# Altium PCB PCB1_done2.PcbDoc (part 2 of 3)
Units mm, origin at the board's own origin, x right, y up, seen from the top; angles counter-clockwise.
Board outline 90.17 x 95.89 mm, 8 copper layers (Top Layer, Top Signal Layer, Vbat-chrg, Internal Plane 1, GND-nBat, Internal Plane 2, Bottom Signal Layer, Bottom Layer), stack 1.566 mm thick; 236 components, 256 nets, 986 pads, 235 vias.
Unrouted connection lines stored in the file: 10.
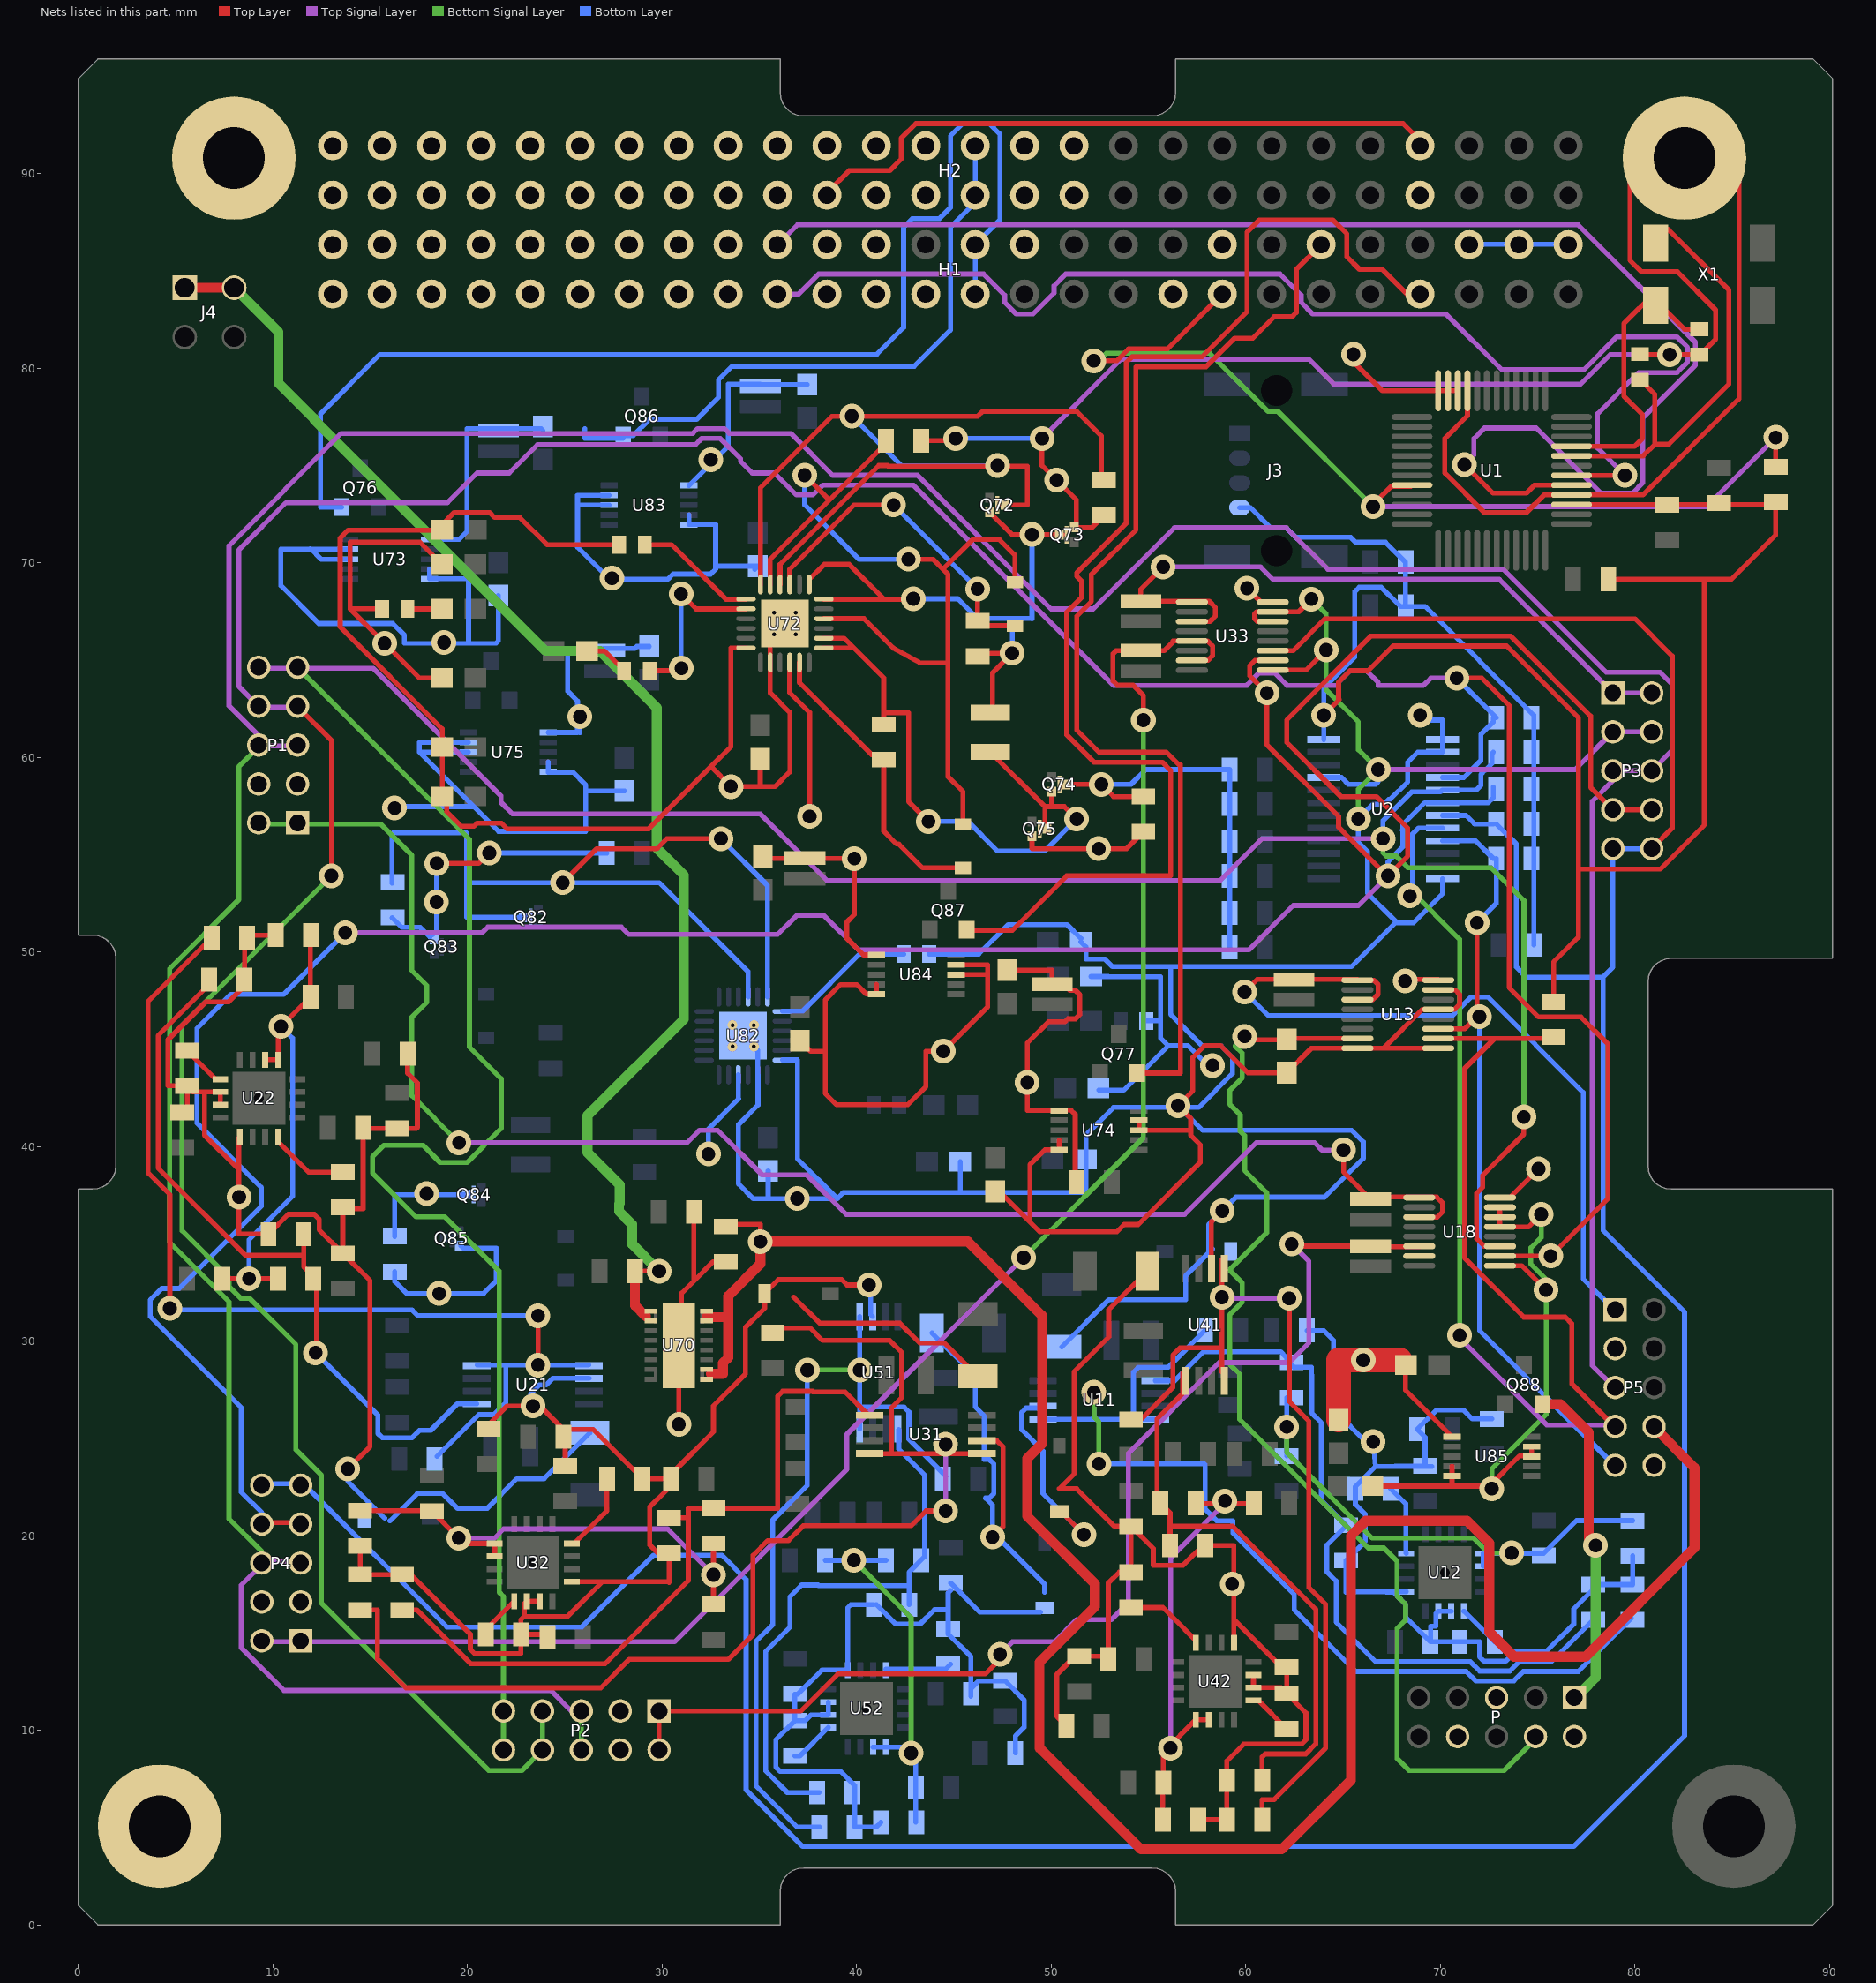
[diagram p8: the nets of this part, all layers, seen from the top]

## Via types
v1: diameter 1.27, hole 0.711, Top Layer to Bottom Layer, 226 vias
v2: diameter 0.5, hole 0.2, Top Layer to Bottom Layer, 8 vias
v3: diameter 1.27, hole 0.711, Top Layer to Bottom Layer, tented bottom, 1 vias

## Nets (pads, with @x,y where several pads share a name; then routed paths per layer and width w, separated by ;. In a path a pad name is that pad's centre, name@x,y a point inside that pad or via, vN(x,y) a via of type N, cw(c..) or ccw(c..) an arc to the next point about the centre after c; other vN are vias at no path point) (continued)
3V3: C73.1 C79.1 H1.48 H1.50 H1.52 J3.4 Q74.3 Q74.4 R18.2 R72.2 R74.2 R100.2 R101.2 R102.1 R103.1 R104.2 R112.1 R113.1 R122.1 R123.1 R132.1 R133.1 R142.1 R143.1 R152.1 R153.1 R162.1 R163.1 R172.1 R173.1 R710.2 R711.2 R713.2 R714.2 R716.2 R717.2 U1.10 U1.11 U1.12 U1.39 U2.24 U72.10 U73.1 U74.1 U75.1 | length 220.2
  Top Layer w0.254: C73.1@15.602,67.65 13.966,67.65 ; R74.2@18.69,64.094 17.522,64.094 v1(15.744,65.872) 13.966,67.65 ; R72.2@18.69,69.936 17.559,71.067 13.966,71.067 13.966,67.65 ; U72.10@36.568,64.888 36.568,63.336 37.588,62.316 v1(37.588,56.97) ; R714.2@47.76,49.071 50.046,49.071 50.046,48.297 50.712,48.297 50.977,48.032 51.254,48.032 51.477,47.809 51.477,46.793 51.254,46.57 50.865,46.57 50.712,46.417 49.867,46.417 48.776,45.326 48.776,41.857 U74.1@50.414,41.857 ; U74.1@50.414,41.882 51.017,41.882 51.24,41.659 51.24,38.239 R133.1@51.305,38.174 ; Q74.3@50.619,58.621 Q74.3@50.81,58.621 v1(52.586,58.621) 53.21,57.997 C79.1@54.745,57.997 ; v1(64.014,62.175) 64.822,62.983 64.778,63.026 64.778,63.868 65.373,64.463 66.215,64.463 66.258,64.419 67.572,65.733 73.414,65.733 77.097,62.05 77.097,50.758 75.827,49.488 R122.1@75.827,47.572 ; v1(65.54,80.719) 65.54,80.338 67.028,78.85 U1.12@69.902,78.85 U1.11@70.402,78.85 U1.10@70.902,78.85 ; U1.39@76.752,73 R100.2@81.669,73 ; 77.097,54.264 81.312,54.264 83.574,56.526 83.574,69.162 R101.2@78.646,69.162 84.971,69.162 87.249,71.44 87.249,72.997 R100.2@81.669,72.997
  Bottom Layer w0.254: U73.1@18.055,71.206 19.566,71.206 19.972,71.612 19.972,76.896 23.782,76.896 R711.2@23.884,76.794 ; U75.1@24.151,61.288 25.662,61.288 25.662,62.899 25.154,63.407 25.154,65.606 28.608,65.606 28.71,65.708 R717.2@29.345,65.708 ; 25.789,61.288 v1@25.789,62.05 ; v1(52.586,58.621) 54.11,58.621 54.872,59.383 R162.1@59.179,59.383 R163.1@59.179,57.605 R152.1@59.179,55.7 R153.1@59.179,53.922 R142.1@59.179,52.017 R143.1@59.179,50.239 ; J3.4@59.698,72.845 60.25,72.845 61.279,71.816 62.087,71.816 62.639,71.265 ; 62.639,71.265 62.69,71.316 65.406,71.316 65.655,71.067 67.191,71.067 68.207,70.051 R173.1@68.207,67.765 ; U2.24@64.014,60.926 v1(64.014,62.175) 64.014,63.561 65.616,65.163 65.616,68.532 65.839,68.756 66.968,68.756 67.958,67.765 R173.1@68.207,67.765 ; R173.1@68.218,67.765 R173.1@68.207,67.765 ; H1.48@71.501,86.373 H1.52@76.843,86.373 ; R132.1@74.822,50.366 74.811,50.377 74.811,62.177 69.223,67.765 R173.1@68.207,67.765
  other v1: 48.776,43.307 25.781,62.103
5V: C83.1 C89.1 H1.1 H2.25 H2.26 P.2 Q84.3 Q84.4 R82.2 R84.2 R810.2 R811.2 R813.2 R814.2 R816.2 R817.2 U13.16 U18.16 U33.16 U82.10 U83.1 U84.1 U85.1 | length 64
  Top Layer w0.254: R814.2@35.187,54.811 v1(39.886,54.811) 39.886,51.93 39.505,51.549 39.505,50.707 40.354,49.858 U84.1@41.016,49.858 ; v1(60.071,68.707) 60.787,67.991 U33.16@61.392,67.991 ; R816.2@67.928,29.03 68.207,28.751 68.207,27.493 U85.1@70.607,25.093 ; v1(68.199,48.514) 68.276,48.591 U13.16@69.901,48.591 ; U18.16@73.076,37.384 73.579,37.384 v1(75.057,38.862)
  Top Layer w1.27: R817.2@64.778,25.957 64.778,29.03 v1(66.048,29.03) R816.2@67.928,29.03
  Bottom Layer w0.254: C89.1@16.268,35.391 16.268,37.539 17.915,37.539 Q84.3@19.945,37.539 Q84.3@20.116,37.539 ; U83.1@31.39,73.988 33.409,76.007 33.409,79.195 R810.2@35.035,79.195 ; v1@32.393,39.698 32.393,40.912 33.945,42.464 ; 33.925,42.484 U82.10@33.925,43.698 ; R810.2@35.06,79.17 R811.2@37.473,79.17 ; R82.2@52.057,48.746 52.944,48.746 52.949,48.74 55.634,48.74 55.634,45.575 56.019,45.19 ; R84.2@52.459,42.904 53.733,42.904 56.019,45.19 ; C83.1@54.891,46.46 55.634,46.46 ; v1(58.305,44.174) 58.06,44.174 57.044,45.19 56.019,45.19
  other v1: 17.907,37.592 32.385,39.624 32.512,75.311
"5V USB": J4.1 J4.4 R70.2 U70.1 U70.2 | length 71.8
  Top Layer w0.254: R70.2@28.608,33.602 v1(29.853,33.602) ; 29.16,31.292 29.3,31.292
  Top Layer w0.508: J4.1@5.469,84.148 J4.4@8.009,84.148 ; R70.2@28.608,33.602 28.608,31.844 29.16,31.292
  Bottom Signal Layer w0.508: J4.4@8.009,84.148 10.287,81.87 10.287,79.248 12.115,77.42 ; 12.115,77.375 24.011,65.479 26.805,65.479 29.73,62.554 29.73,55.347 31.123,53.954 31.123,46.556 26.17,41.603 26.17,39.698 27.825,38.043 27.825,37.097 27.79,37.062 27.79,36.681 28.46,36.011 28.46,34.995 v1(29.853,33.602)
ACS3.3V: H1.27 H1.28 Q76.2 | length 61.3
  Bottom Layer w0.254: Q76.2@13.536,72.873 12.454,72.873 12.454,77.671 15.502,80.719 41.038,80.719 42.418,82.099 42.418,87.249 42.871,87.702 44.268,87.702 44.831,88.265 44.831,91.948 45.466,92.583 46.832,92.583 47.371,92.044 47.371,87.63 H1.28@46.101,86.36 H1.27@46.101,83.82 ; H1.27@46.101,83.566 H1.27@46.228,83.693
ACS_5V: H2.27 H2.28 Q86.2 | length 32.2
  Bottom Layer w0.254: 26.043,76.909 26.043,76.401 Q86.2@27.998,76.401 ; Q86.2@28.014,76.544 28.525,76.544 29.356,77.375 31.772,77.375 32.901,78.504 32.901,79.405 33.605,80.109 42.969,80.109 44.831,81.972 44.831,87.249 46.302,88.72 46.109,88.913 H2.28@46.109,91.453
ANTENNA: P.1 Q88.2 | length 17.1
  Top Layer w0.508: Q88.2@75.253,26.76 76.192,26.76 77.635,25.317 77.635,19.856 v1(77.986,19.505)
  Bottom Signal Layer w0.508: P.1@76.93,12.033 77.311,12.033 77.986,12.708 v1(77.986,19.505)
ARRAYNX.1.POS: P2.1 R19.1 U18.6 U18.7 | length 60.3
  Top Layer w0.254: 29.853,8.996 P2.1@29.853,10.996 37.137,10.996 39.042,12.901 46.617,12.901 47.379,13.663 v1(47.379,13.917) ; v1@62.365,34.889 R19.1@66.429,34.889 66.465,34.853 U18.6@68.926,34.853
  Top Signal Layer w0.254: v1@47.379,13.536 v1(47.379,13.917) 48.014,14.552 50.173,14.552 51.316,15.695 53.094,15.695 53.983,16.584 53.983,24.244 58.642,28.903 62.238,28.903 63.254,29.919 63.254,34.11 v1(62.365,34.999)
ARRAYNX.2.POS: P2.2
ARRAYNX.3.NEG: P2.3
ARRAYNX.4.NEG: C1.1 C2.1 C12.2 C14.2 C15.2 C16.1 C17.2 C18.2 C22.2 C24.2 C25.2 C26.1 C27.2 C28.2 C32.2 C34.2 C35.2 C36.1 C37.2 C38.2 C42.2 C44.2 C45.2 C46.1 C47.2 C48.2 C52.2 C54.2 C55.2 C56.1 C57.2 C58.2 C70.2 C72.1 C75.2 C76.2 C79.2 C82.1 C85.2 C86.2 C89.2 Cin1.2 Cin2.2 Cin3.2 Cin4.2 Cin5.2 Cout1.1 Cout2.1 Cout3.1 Cout4.1 Cout5.1 Dout1.2 Dout2.2 Dout3.2 Dout4.2 Dout5.2 H1.2 H1.30 H2.29 H2.30 H2.31 H2.32 P1.3 P1.4 P2.4 P3.3 P3.4 P.5 P.8 pad.1@4.191,5.08 pad.1@8.001,90.805 pad.1@82.55,90.805 Q73.2 Q75.2 Q83.2 Q85.2 R12.1 R14.2 R15.2 R16.2 R22.1 R24.2 R25.2 R26.2 R32.1 R34.2 R35.2 R36.2 R42.1 R44.2 R45.2 R46.2 R52.1 R54.2 R55.2 R56.2 R71.1 R73.1 R76.1 R78.1 R79.1 R83.1 R86.1 R88.1 R89.1 R99.2 R712.1 R715.1 R718.1 R812.1 R815.1 R818.1 U1.9 U1.40 U2.1 U2.2 U2.12 U2.21 U11.2 U12.6 U12.7 U12.9 U13.8 U13.9 U13.13 U13.15 U18.9 U18.13 U18.14 U18.15 U21.2 U22.6 U22.7 U22.9 U31.2 U32.6 U32.7 U32.9 U33.9 U33.14 U33.15 U41.2 U42.6 U42.7 U42.9 U51.2 U52.6 U52.7 U52.9 U70.17 U72.6 U72.8 U72.25 U73.5 U73.8 U73.9 U74.5 U74.8 U74.9 U75.5 U75.8 U75.9 U82.6 U82.8 U82.25 U83.5 U83.8 U83.9 U84.5 U84.8 U84.9 U85.5 U85.8 U85.9 | length 930.3
  Top Layer w0.254: C27.2@5.342,41.755 5.596,42.009 C26.1@5.596,43.116 ; U22.7@7.304,42.162 U22.6@7.304,42.817 6.485,42.817 ; U22.9@8.274,40.481 8.263,40.47 8.263,38.809 ; C22.2@8.542,48.588 8.542,50.609 C24.2@8.68,50.747 ; C24.2@8.669,50.874 C25.2@10.143,50.874 ; C22.2@8.708,48.423 7.73,47.445 6.556,47.445 4.605,45.495 4.605,43.127 5.585,43.127 C26.1@5.596,43.116 ; v1(13.851,23.442) 14.994,24.585 14.994,33.119 Cin2.2@13.597,34.516 ; C35.2@14.486,19.48 C34.2@14.486,18.006 17.088,18.006 20.15,14.944 20.15,14.166 20.373,13.942 22.741,13.942 C36.1@22.741,14.922 ; R26.2@14.638,40.968 14.638,36.802 13.673,36.802 C28.2@13.597,36.879 Cin2.2@13.597,34.516 ; R26.2@14.664,40.943 R25.2@16.391,40.943 17.382,40.943 17.428,40.989 17.428,43.275 16.924,43.778 R24.2@16.924,44.778 ; v1(18.423,54.557) 20.582,54.557 v1(21.121,55.096) ; R34.2@20.963,25.601 22.032,26.67 23.729,26.67 R35.2@24.925,25.474 ; U32.7@23.706,16.641 U32.6@23.051,16.641 22.934,16.524 22.934,15.883 ; C37.2@24.113,14.933 C36.1@22.752,14.933 C36.1@22.741,14.922 ; R36.2@25.027,23.975 25.027,25.372 R35.2@24.925,25.474 ; U32.9@25.357,17.641 26.932,17.641 ; C72.1@27.806,70.94 24.094,70.94 22.697,72.337 21.4,72.337 21.146,72.591 19.312,72.591 18.716,71.995 R73.1@18.716,71.702 18.704,71.69 13.871,71.69 13.458,71.277 13.458,66.721 18.704,61.475 R76.1@18.704,60.538 R79.1@18.704,57.998 18.931,57.998 18.931,57.224 19.693,56.462 20.332,56.462 20.49,56.62 21.752,56.62 22.037,56.335 29.321,56.335 32.52,59.534 ; 30.331,17.641 26.932,17.641 ; 30.361,17.611 R32.1@30.361,19.113 29.788,19.113 29.37,19.53 29.37,21.492 30.234,22.355 Cin3.2@30.234,22.934 ; v1(30.869,25.728) U70.17@30.869,29.792 ; U70.17@31.007,29.93 31.007,32.47 31.642,33.105 ; R71.1@31.642,36.65 31.642,33.105 ; C70.2@33.282,34.085 32.622,34.085 31.642,33.105 ; U72.6@34.318,65.638 33.544,65.638 33.544,60.558 32.52,59.534 ; R78.1@35.048,59.942 35.048,58.506 ; v2(35.768,66.338) 35.568,66.138 U72.8@35.568,64.888 35.568,63.32 36.572,62.316 36.572,59.268 35.81,58.506 35.048,58.506 ; 36.775,32.269 38.108,30.935 42.223,30.935 43.239,29.919 44.509,29.919 Cout3.1@46.236,28.192 ; R815.1@37.092,45.452 37.639,44.905 38.386,44.905 ; v1(40.64,32.893) 39.51,32.893 39.238,33.165 35.981,33.165 Dout3.2@35.275,32.459 35.275,31.7 34.29,30.715 34.29,28.321 32.647,26.678 32.647,25.347 30.615,23.315 30.615,22.934 Cin3.2@30.234,22.934 ; 41.016,48.342 U84.5@41.016,47.842 40.505,47.842 40.013,48.334 39.184,48.334 38.386,47.536 38.386,44.905 ; C76.2@43.328,76.286 v1@45.093,76.286 ; U84.8@45.118,48.842 46.744,48.842 ; U84.9@45.118,49.35 46.744,49.35 46.744,47.191 v1(44.458,44.905) 43.569,44.905 43.569,43.087 42.632,42.15 38.981,42.15 38.386,42.745 38.386,44.905 ; U31.2@46.444,24.89 47.211,24.89 47.536,24.565 47.536,20.485 v1(46.99,19.939) ; R715.1@47.125,37.705 47.336,37.705 49.407,35.634 53.391,35.634 53.76,36.002 54.478,36.002 57.666,39.19 57.666,40.102 57.182,40.586 57.182,41.428 57.194,41.44 v1(56.523,42.111) 57.289,42.877 57.289,44.595 57.884,45.19 58.726,45.19 60.128,43.787 62.111,43.787 63.384,45.06 U13.8@65.751,45.06 67.092,45.06 ; 48.919,36.142 48.919,39.079 49.681,39.841 U74.5@50.414,39.841 50.414,40.341 ; Q75.2@49.017,55.96 49.017,55.332 49.03,55.319 53.881,55.319 C79.2@54.745,56.183 ; v1(49.538,76.401) 49.538,75.004 51.289,73.253 Q73.2@51.289,71.823 ; Dout4.2@50.427,21.244 50.511,21.244 v1(51.689,20.066) ; R44.2@50.783,10.234 50.3,10.717 50.3,12.883 51.207,13.79 R45.2@51.418,13.79 ; Q73.2@51.202,71.823 Q73.2@51.289,71.823 ; R45.2@51.443,13.815 R46.2@52.662,13.815 ; C75.2@52.713,72.439 52.097,71.823 Q73.2@51.289,71.823 ; R46.2@52.942,13.663 52.942,17.575 53.5,18.133 C48.2@54.11,18.133 Cin4.2@54.11,20.496 ; U74.9@54.516,41.349 U74.8@54.516,40.841 57.158,40.841 ; Cout4.1@54.948,33.602 52.967,31.621 52.967,30.224 51.189,28.446 51.189,23.188 50.427,22.426 51.316,22.426 53.246,20.496 Cin4.2@54.11,20.496 ; C45.2@57.564,5.408 C44.2@59.038,5.408 C42.2@59.038,7.44 59.038,8.431 59.901,9.294 62.878,9.294 63.102,9.517 63.102,10.905 C46.1@62.111,11.896 C47.2@62.111,13.257 61.841,13.257 59.403,15.695 ; R42.1@57.931,19.505 59.403,19.505 59.403,15.695 ; R42.1@57.931,19.632 56.788,18.489 55.253,18.489 55.253,19.353 Cin4.2@54.11,20.496 ; U41.2@58.242,33.736 58.242,36.144 v1(58.801,36.703) ; U42.9@59.403,14.501 59.403,15.695 ; U42.7@60.403,12.85 U42.6@60.403,12.195 C46.1@61.812,12.195 ; U33.9@61.392,64.491 63.094,64.491 v1(64.135,65.532) ; U33.14@61.392,66.991 60.599,66.991 60.46,67.13 60.46,67.384 60.567,67.491 U33.15@61.392,67.491 62.726,67.491 v1(63.381,68.146) ; R818.1@66.517,22.553 72.525,22.553 74.082,24.11 74.709,24.11 U85.9@74.709,24.56 ; U13.9@69.901,45.06 67.092,45.06 ; U13.15@69.901,48.06 70.767,48.06 71.001,47.826 71.001,47.318 70.743,47.06 U13.13@69.901,47.06 69.092,47.06 67.092,45.06 ; 70.607,22.566 U85.5@70.607,23.077 70.607,23.577 ; U1.9@71.402,78.85 71.402,77.564 70.239,76.401 70.239,74.623 72.271,72.591 74.43,72.591 75.339,73.5 U1.40@76.752,73.5 ; U18.9@73.076,33.884 74.193,33.884 v1(75.438,32.639) ; U18.15@73.076,36.884 U18.14@73.076,36.384 U18.13@73.076,35.884 74.553,35.884 v1(75.192,36.523) ; U1.40@77.641,73.5 80.419,73.5 85.352,78.433 85.352,91.533 83.586,93.299 81.53,93.299 79.756,91.525 79.756,85.553 80.346,84.963 82.199,84.963 84.158,83.004 84.158,81.501 83.361,80.704 C2.1@83.32,80.704 v1(81.796,80.704) 80.302,80.704 C1.1@80.272,80.734 ; C26.1@5.596,43.116 5.895,42.817 6.485,42.817 ; 6.485,42.817 6.485,40.587 8.263,38.809 ; 8.263,38.809 v1(8.263,37.412) 8.263,35.518 8.274,35.507 R22.1@9.776,35.507 10.792,36.523 12.129,36.523 12.378,36.274 12.378,35.736 Cin2.2@13.597,34.516 ; C36.1@22.741,14.922 22.741,15.69 22.934,15.883 ; 22.934,15.883 22.964,15.854 25.145,15.854 26.932,17.641 ; R35.2@24.925,25.474 26.449,25.474 C38.2@28.989,22.934 Cin3.2@30.234,22.934 ; 32.52,59.534 v1(33.548,58.506) 35.048,58.506
  Top Signal Layer w0.254: v1(49.538,76.401) 53.602,80.465 63.254,80.465 64.524,79.195 77.224,79.195 78.733,80.704 v1(81.796,80.704) ; v1(66.81,59.383) 76.938,59.383 P3.3@78.875,61.32 P3.4@80.875,61.32
  Bottom Signal Layer w0.254: v1(63.381,68.146) 64.135,67.392 v1(64.135,65.532) 64.135,63.491 65.794,61.832 65.794,60.399 v1(66.81,59.383) 65.794,58.367 65.794,57.478 66.175,57.097 v1@66.175,56.593 ; v1(65.794,56.843) v1@65.921,56.843 ; v1(72.652,22.426) 72.652,23.442 75.446,26.236 75.446,33.181 74.664,33.963 74.664,34.805 75.192,35.333 v1(75.192,36.523)
  Bottom Layer w0.254: 11.938,70.739 12.487,70.19 U73.8@13.953,70.19 ; v1(13.851,23.442) 13.851,22.807 15.756,20.902 ; U73.9@13.953,70.698 10.414,70.698 10.414,68.834 12.36,66.888 16.165,66.888 16.76,66.293 16.76,65.872 v1@18.804,65.86 ; 16.018,20.767 17.422,22.172 18.735,22.172 19.497,21.41 21.014,21.41 22.538,22.934 23.935,22.934 Cout2.1@26.297,25.296 ; C85.2@16.137,51.763 16.631,51.269 17.576,51.269 Q83.2@18.081,50.764 ; C89.2@16.264,33.577 16.264,33.069 16.874,32.459 20.836,32.459 21.488,33.111 21.488,34.782 19.797,34.782 Q85.2@19.67,34.909 ; v1@16.264,57.478 20.328,57.478 ; 18.055,69.69 U73.5@18.055,69.19 20.058,69.19 20.058,65.888 v1@18.804,65.86 ; Q83.2@18.2,50.883 18.423,51.106 v1(18.423,54.557) ; U75.8@20.049,60.272 17.534,60.272 ; U75.9@20.049,60.78 17.534,60.78 17.534,60.272 ; v1(21.121,55.096) C86.2@27.165,55.096 ; R712.1@21.598,68.324 21.598,65.999 21.471,65.872 v1@18.804,65.86 ; v1(23.368,26.67) 23.368,27.178 23.241,27.305 23.696,27.76 24.051,27.76 24.381,28.09 U21.2@26.251,28.09 ; 24.151,59.772 U75.5@24.151,59.272 24.151,59.239 25.425,59.239 26.082,58.582 26.082,56.208 21.598,56.208 20.328,57.478 ; 26.121,58.279 R718.1@28.075,58.279 ; U83.8@27.288,72.972 25.662,72.972 ; U83.9@27.288,73.48 25.662,73.48 25.662,72.972 ; 31.39,72.472 U83.5@31.39,71.972 32.758,71.972 32.758,69.686 32.5,69.428 30.563,69.428 30.297,69.162 27.313,69.162 25.662,70.813 25.662,72.972 ; 32.908,69.836 R812.1@34.933,69.836 R812.1@34.767,69.67 ; v2(34.725,45.148) 34.925,44.948 U82.8@34.925,43.698 ; U82.8@34.937,43.71 34.937,42.142 33.933,41.138 33.933,38.09 34.695,37.328 35.457,37.328 ; R88.1@35.457,38.764 35.457,37.328 ; U82.6@36.187,44.46 36.961,44.46 36.961,39.38 39.013,37.328 ; 37.6,10.742 37.357,10.499 C56.1@36.838,10.499 ; 37.656,10.798 U52.6@38.546,10.798 U52.7@38.546,11.453 ; v1(40.64,32.893) 40.724,32.809 40.724,31.372 U51.2@40.826,31.27 ; R52.1@40.891,16.457 39.703,16.457 39.546,16.3 U52.9@39.546,13.104 38.225,13.104 36.981,11.86 C57.2@36.838,11.86 C56.1@36.838,10.499 ; R52.1@41.029,16.457 42.02,15.466 43.27,15.466 44.006,16.203 44.712,16.203 ; C55.2@41.258,5.281 41.004,5.027 C54.2@39.911,5.027 39.911,7.161 39.175,7.897 36.071,7.897 35.847,8.12 35.847,9.508 C56.1@36.838,10.499 ; C82.1@43.735,49.897 46.278,49.897 47.794,51.413 50.824,51.413 R83.1@51.535,50.702 ; Cout5.1@43.874,30.427 46.109,28.192 46.109,26.617 46.566,26.16 46.566,23.925 46.826,23.925 47.049,23.701 47.049,22.167 46.826,21.943 46.635,21.943 46.995,21.584 46.99,21.579 46.99,20.193 49.665,17.518 49.665,17.092 ; Cin5.2@44.839,17.194 44.712,17.067 44.712,16.203 ; Cin5.2@44.839,17.575 46.338,16.076 Dout5.2@49.45,16.076 ; v1(45.093,76.401) v1(49.538,76.401) ; 45.332,37.665 R89.1@45.332,39.229 ; R56.2@45.88,11.758 45.88,13.79 44.712,14.958 44.712,16.203 ; R56.2@45.88,12.139 46.287,12.545 R55.2@47.633,12.545 48.624,11.555 48.624,10.167 48.166,9.71 R54.2@48.166,8.837 ; U11.2@49.584,26.668 49.482,26.566 48.715,26.566 48.492,26.343 48.492,25.449 49.584,24.356 49.584,22.171 v1(51.689,20.066) ; Cout1.1@50.554,29.716 52.972,32.134 56.92,32.134 56.92,33.364 58.1,34.544 ; R83.1@51.535,50.524 51.789,50.27 51.789,49.635 52.773,49.635 53.16,49.248 65.438,49.248 67.699,51.509 68.628,51.509 70.114,52.995 U2.12@70.114,53.776 ; 56.142,49.248 56.142,46.81 57.762,45.19 58.726,45.19 59.321,44.595 59.321,43.753 57.583,42.015 v1@56.619,42.015 ; v1(56.523,42.111) v1@56.619,42.015 ; 58.301,34.745 58.1,34.544 ; Cin1.2@63.152,30.554 64.016,30.554 64.524,30.046 64.524,26.49 66.302,24.712 v1(66.556,24.839) 66.683,23.569 ; U2.21@64.014,58.976 64.931,58.976 65.286,58.621 66.683,58.621 66.81,58.748 v1(66.81,59.383) ; 65.159,17.103 R12.1@65.159,18.732 66.15,19.723 66.15,21.111 65.642,21.619 C18.2@65.642,22.426 65.642,22.528 66.683,23.569 ; 65.159,17.133 U12.9@68.258,17.133 ; v1@65.794,56.716 65.794,55.647 66.261,55.18 66.261,53.034 67.786,51.509 ; v1@65.921,56.843 v1(65.794,56.843) 66.529,57.578 66.529,57.605 67.104,57.605 67.358,57.859 67.441,57.859 68.334,58.752 68.334,59.764 68.846,60.276 U2.2@70.114,60.276 U2.1@70.114,60.926 70.114,61.921 v1@69.352,61.921 ; 67.191,17.133 67.232,17.092 67.612,17.092 68.207,16.497 68.207,15.847 C17.2@69.502,14.552 ; 67.699,23.594 R16.2@69.223,23.594 69.223,25.068 R15.2@68.817,25.474 69.807,26.465 71.195,26.465 71.652,26.007 R14.2@72.652,26.007 ; R16.2@69.579,23.569 66.683,23.569 ; U12.6@70.564,16.133 U12.7@69.909,16.133 69.782,16.006 69.782,15.346 69.502,15.346 C17.2@69.502,14.552 ; C15.2@79.891,18.972 C14.2@79.891,17.498 78.119,17.498 76.868,16.248 76.868,15.466 75.446,14.044 73.851,14.044 73.369,13.561 72.24,13.561 72.017,13.785 72.017,14.552 C16.1@70.99,14.552 C17.2@69.502,14.552 ; 17.534,60.272 20.328,57.478 ; 35.457,37.328 39.013,37.328 ; 39.013,37.328 39.317,37.65 51.692,37.65 51.789,37.58 R86.1@51.789,39.348 51.789,40.594 53.21,42.015 v1@56.619,42.015 ; v1@56.619,42.015 57.793,40.841 65.453,40.841 66.048,40.246 66.048,39.404 64.052,37.408 59.506,37.408 v1(58.801,36.703) 58.1,36.002 58.1,34.544